# Altium PCB Slave.PcbDoc (part 11 of 12) (continued)
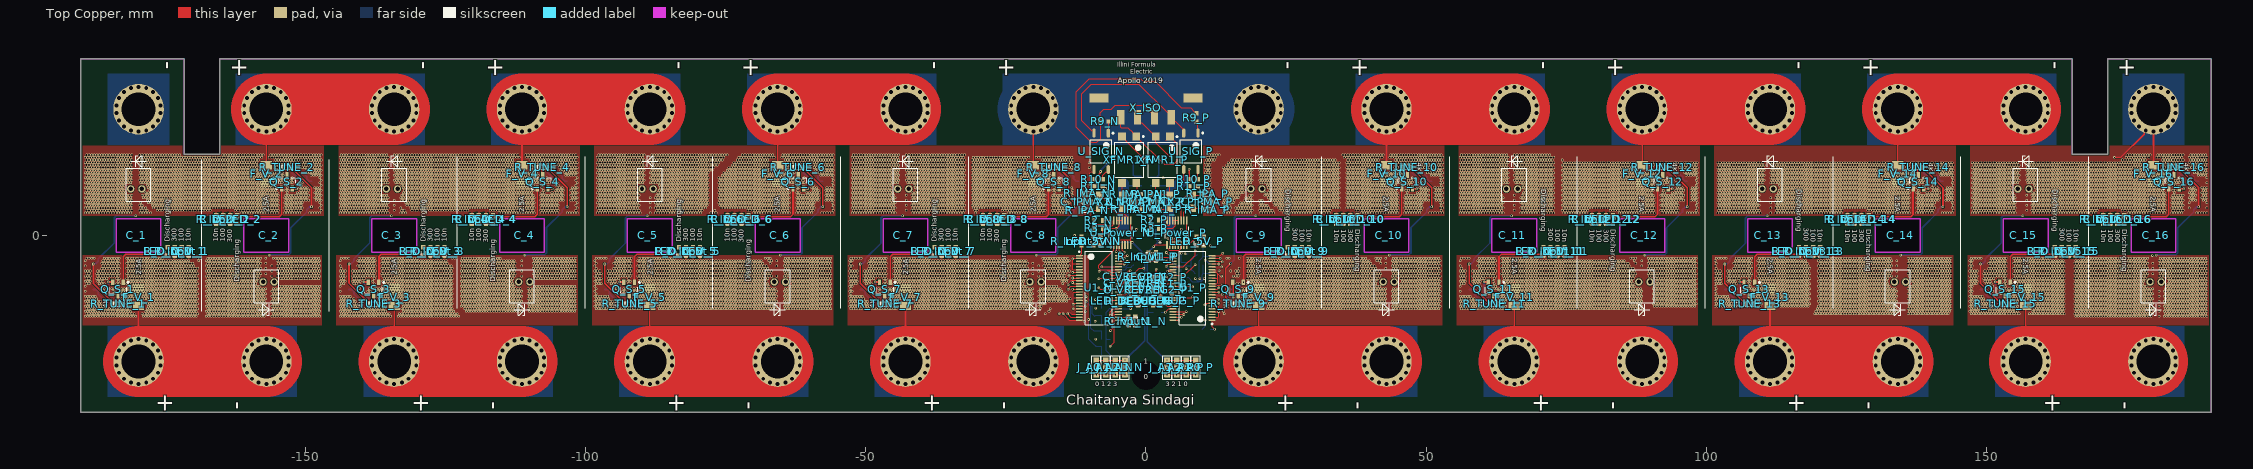
[diagram p0: Top Copper view]
## Nets (pads, with @x,y where several pads share a name; then routed paths per layer and width w, separated by ;. In a path a pad name is that pad's centre, name@x,y a point inside that pad or via, vN(x,y) a via of type N, cw(c..) or ccw(c..) an arc to the next point about the centre after c; other vN are vias at no path point) (continued)
GPIO2_N: R_Temp2_N.2 U1_N.28 | length 4.4
  Top Copper w0.102: v3(-6.35,-16.975) -5.975,-16.6 -5.975,-13.975 -5.6,-13.6 U1_N.28@-4.9,-13.6
GPIO2_P: R_Temp2_P.2 U1_P.28 | length 3.2
  Top Copper w0.102: v3(3.6,-5.5) 4,-5.1 U1_P.28@4.8,-5.1
  Bottom Copper w0.102: v3(3.6,-5.5) 4.1,-6 R_Temp2_P.2@4.75,-6 ; R_Temp2_P.2@4.701,-6.199 5.025,-5.875 R_Temp2_P.2@5.05,-5.875
GPIO3_N: R_Temp3_N.2 U1_N.29 | length 2.3
  Top Copper w0.102: v3(-6.375,-14.25) -6.375,-13.575 -5.9,-13.1 U1_N.29@-4.9,-13.1
GPIO3_P: R_Temp3_P.2 U1_P.29 | length 6.1
  Top Copper w0.102: U1_P.29@4.8,-5.6 6.65,-5.6 8.75,-3.5 v3(8.75,-2.75)
  Bottom Copper w0.102: v3(8.75,-2.75) R_Temp3_P.2@8.75,-2.25
GPIO4_N: R_Temp4_N.2 U1_N.32 | length 1.5
  Top Copper w0.102: v3(-6.4,-11.5) -6.306,-11.5 -6.206,-11.6 U1_N.32@-4.9,-11.6
GPIO4_P: R_Temp4_P.2 U1_P.32 | length 4.7
  Top Copper w0.102: U1_P.32@4.8,-7.1 6.85,-7.1 v3(8.75,-5.2)
IBIAS_N: R2_N.2 U_Power_N.16 | length 1.5
  Top Copper w0.102: R2_N.2@-7.75,2.684 U_Power_N.16@-6.251,2.684
IBIAS_P: R2_P.2 U_Power_P.16 | length 1.5
  Top Copper w0.102: R2_P.2@2.25,2.75 2.316,2.684 U_Power_P.16@3.749,2.684
ICMP_N: R2_N.1 R3_N.2 U_Power_N.15 | length 5.9
  Top Copper w0.102: R3_N.2@-9.25,1.25 -9.25,1.967 ; R2_N.1@-9.25,2.684 -9.25,1.967 ; U_Power_N.15@-5.751,2.684 -5.807,2.628 -5.807,1.893 -6,1.7 -6.9,1.7 -7.167,1.967 -9.25,1.967
ICMP_P: R2_P.1 R3_P.2 U_Power_P.15 | length 5.9
  Top Copper w0.102: R3_P.2@0.75,1.25 0.75,2 ; R2_P.1@0.75,2.75 0.75,2 ; U_Power_P.15@4.249,2.684 4.249,1.9 4.183,1.833 3.546,1.833 3.379,2 0.75,2
IMA_ISO: X_ISO.P$2 XFMR1_N.2 XFMR1_P.2 | length 20.5
  Top Copper w0.102: XFMR1_N.2@-4.27,17.625 -3.621,16.976 -3.621,16.894 -0.476,13.75 v3(0,13.75) ; X_ISO.P$2@-1.5,21.07 -1.5,20.711 -0.916,20.127 -0.772,20.127 XFMR1_P.2@1.73,17.625 1.73,16.52 v3(4.5,13.75)
  Signal Layer 1 w0.102: v3(0,13.75) 0.052,13.75 0.234,13.932 0.318,13.932 0.5,13.75 v3(4.5,13.75)
IMA_N: R_IMA_N.2 U_Power_N.10 X2_N.4 | length 8.8
  Top Copper w0.102: R_IMA_N.2@-9.75,7.5 -8.725,7.5 X2_N.4@-8.35,7.125 -8.107,6.882 -7.895,6.882 -4.916,3.903 -3.915,3.903 -3.457,3.446 -3.452,3.446 -3.249,3.243 U_Power_N.10@-3.249,2.684
IMA_P: R_IMA_P.2 U_Power_P.10 X2_P.4 | length 5.3
  Top Copper w0.102: U_Power_P.10@6.751,2.684 6.751,4.1 7.526,4.875 X2_P.4@8.35,4.875 9.925,4.875 R_IMA_P.2@10.2,4.6
IPA_ISO: X_ISO.P$1 XFMR1_N.1 XFMR1_P.1 | length 20.8
  Top Copper w0.102: X_ISO.P$1@-4.5,21.07 -4.5,19.248 -4.441,19.189 -3.212,19.189 -2.379,18.356 -2.379,18.274 XFMR1_N.1@-1.73,17.625 3.234,12.661 4.951,12.661 5.589,13.299 5.589,16.306 XFMR1_P.1@4.27,17.625 3.621,16.976 3.621,16.894
IPA_N: R_IPA_N.2 U_Power_N.11 X2_N.1 | length 7.4
  Top Copper w0.102: R_IPA_N.2@-9.75,4.5 -8.725,4.5 X2_N.1@-8.35,4.875 -6.175,4.875 -5,3.7 -4.206,3.7 -3.749,3.243 U_Power_N.11@-3.749,2.684
IPA_P: R_IPA_P.2 U_Power_P.11 X2_P.1 | length 7.9
  Top Copper w0.102: U_Power_P.11@6.251,2.684 6.251,6.099 7.276,7.125 X2_P.1@8.35,7.125 9.925,7.125 R_IPA_P.2@10.2,7.4
NEG1_C1: C1_N.2 C_1.- C_1.T- C_2.T- C_3.T- C_4.T- C_5.T- C_6.T- C_7.T- C_8.T- C_IPMA1_N.1 C_IPMA_N.1 C_Temp1_N.1 C_Temp2_N.1 C_Temp3_N.1 C_Temp4_N.1 C_V1_N.1 C_V_1.1 C_V_2.1 C_V_3.1 C_V_4.1 C_V_5.1 C_V_6.1 C_V_7.1 C_V_8.1 C_VREF1_N.1 C_VREF2_N.1 C_VREG1_N.1 C_VREG2_N.1 J_A0_N.1 J_A1_N.1 J_A2_N.1 J_A3_N.1 Q2_N.2 Q_D_1.3 R3_N.1 R11_N.1 R_5V_N.1 R_DEBUG_PD_N.1 R_Input1_N.2 R_TUNE_1.1 U1_N.30 U1_N.31 U1_N.36 U1_N.40 U_Power_N.12 U_Power_N.13 U_Power_N.14 | length 103.6
  Top Copper w0.102: C_1.-@-179.7,22.5 C_1.-@-178.2,21 ; v3(-8.85,-24.85) v3(-7.15,-24.85) v3(-5.45,-24.85) v3(-3.75,-24.85) ; v3(-8.4,-9.374) -8.392,-9.374 -8.166,-9.6 U1_N.36@-4.9,-9.6 ; v3(-8.4,-7.7) -8.306,-7.7 -8.206,-7.6 U1_N.40@-4.9,-7.6 ; R_5V_N.1@-8.162,-0.25 -8.162,-0.225 -7.838,0.099 -7.813,0.099 -7.75,0.162 R3_N.1@-7.75,1.25 -7.745,1.245 v3(-5.334,1.245) -5.255,1.245 -4.742,1.758 -4.742,1.842 -4.75,1.85 U_Power_N.13@-4.75,2.684 ; R11_N.1@-7.75,8.75 -7.582,8.75 v3(-7.214,8.382) ; U_Power_N.14@-5.251,2.684 U_Power_N.13@-4.75,2.684 ; U_Power_N.12@-4.25,2.684 U_Power_N.13@-4.75,2.684 ; C_IPMA1_N.1@-2.45,6 -2.464,5.986 -1.981,5.504 v3(-1.981,5.436) ; C_VREG2_N.1@-1.25,-7.4 C_VREF1_N.1@-1.25,-8.57 C_VREF2_N.1@-1.25,-9.7 -1.194,-9.756 v3(-1.194,-10.033)
  Top Copper w0.305: v3(-187.75,-5.1) -187.75,-8.525 R_TUNE_1.1@-184.075,-12.2
  Signal Layer 1 w0.102: -180.196,8.4 -180.096,8.3 C_1.T-@-179.1,8.3 ; C_1.-@-180.175,22.025 C_1.-@-179.7,22.5 ; C_2.T-@-157.5,-8.3 -157.5,-3.251 ; -133.5,3.251 C_3.T-@-133.5,8.3 ; C_4.T-@-111.9,-8.3 -111.9,-3.251 ; -87.9,3.251 C_5.T-@-87.9,8.3 ; C_6.T-@-66.3,-8.3 -66.3,-3.251 ; -42.3,3.251 C_7.T-@-42.3,8.3 ; C_8.T-@-20.7,-8.3 -20.7,-3.251
  Signal Layer 1 w0.305: v3(-180.2,3.5) -180.196,3.504 -180.196,8.4 -180.196,8.674 -180.2,8.678 -180.2,22 C_1.-@-180.175,22.025
  Bottom Copper w0.102: v3@-8.4,-9.4 -8.38,-9.38 -8.386,-9.374 v3(-8.4,-9.374)
  Bottom Copper w0.305: Q_D_1.3@-187.75,-5.05 -187.329,-5.05 -186.882,-4.602 -186.882,-4.182 -184.052,-1.352 -184.052,3.146 -183.698,3.5 v3(-180.2,3.5)
  other v2: -179.7,18.5 -181.068,18.741 -178.332,18.741 -182.271,19.436 -177.129,19.436 -183.164,20.5 -176.236,20.5 -183.639,21.805 -175.761,21.805 -183.639,23.195 -175.761,23.195 -183.164,24.5 -176.236,24.5 -182.271,25.564 -177.129,25.564 -181.068,26.259 -178.332,26.259 -179.7,26.5
  other v3: -9,-18.5 -3.1,-16.05 -1.9,-16.05 -9.068,-15.335 -9,-12.973 -5.2,-12.3 -4.4,-12.3 -170.725,-2.1 -125.125,-2.1 -79.525,-2.1 -33.925,-2.1 -165.875,2.1 -120.275,2.1 -74.675,2.1 -29.075,2.1 -9.75,6
NEG1_C2: C1_P.2 C_8.+ C_9.- C_9.T- C_10.T- C_11.T- C_12.T- C_13.T- C_14.T- C_15.T- C_16.T- C_IPMA1_P.1 C_IPMA_P.1 C_Temp1_P.1 C_Temp2_P.1 C_Temp3_P.1 C_Temp4_P.1 C_V1_P.1 C_V_9.1 C_V_10.1 C_V_11.1 C_V_12.1 C_V_13.1 C_V_14.1 C_V_15.1 C_V_16.1 C_VREF1_P.1 C_VREF2_P.1 C_VREG1_P.1 C_VREG2_P.1 D1_N.K F_V_8.1 J_A0_P.1 J_A1_P.1 J_A2_P.1 J_A3_P.1 Q2_P.2 Q_D_9.3 R3_P.1 R10_N.2 R11_P.1 R_5V_P.1 R_DEBUG_PD_P.1 R_Input1_P.2 R_Input2_N.2 R_TUNE_9.1 U1_P.30 U1_P.31 U1_P.36 U1_P.40 U_Power_P.12 U_Power_P.13 U_Power_P.14 | length 278
  Top Copper w0.102: v3(-12.75,0) -12.5,-0.25 R_Input2_N.2@-11.5,-0.25 ; v3(2.159,5.42) 2.159,5.709 C_IPMA1_P.1@2.45,6 ; R3_P.1@2.25,1.25 2.27,1.27 v3(2.667,1.27) 4.73,1.27 4.75,1.25 5.2,1.7 5.2,2.635 U_Power_P.13@5.25,2.684 ; v3(3.75,-24.85) v3(5.45,-24.85) v3(7.15,-24.85) v3(8.85,-24.85) ; U_Power_P.14@4.749,2.684 U_Power_P.13@5.25,2.684 ; U1_P.40@4.8,-11.1 8.15,-11.1 v3(8.3,-10.95) ; U1_P.36@4.8,-9.1 8.106,-9.1 8.206,-9.2 v3(8.3,-9.2) ; U1_P.31@4.8,-6.6 4.34,-6.6 4.272,-6.531 4.272,-6.48 4.192,-6.4 v3(3.85,-6.4) 4.13,-6.12 4.78,-6.12 U1_P.30@4.8,-6.1 ; U_Power_P.12@5.75,2.684 U_Power_P.13@5.25,2.684
  Top Copper w0.254: C_8.+@-20.1,22.5 C_8.+@-18.91,21.31 ; R10_N.2@-9.25,10 -9.225,10 -8.977,10.248 -8.977,10.273 -8.138,11.112 -8.138,11.362 v3(-8.1,11.4) ; v3(1.15,-9.7) C_VREF1_P.1@1.15,-8.6
  Top Copper w0.305: F_V_8.1@-20.1,12.8 C_8.+@-20.1,22.5 ; v3(15.05,-5.05) 14.221,-5.879 14.221,-11.071 15.35,-12.2 R_TUNE_9.1@15.725,-12.2
  Signal Layer 1 w0.102: C_8.+@-20.1,22.5 -17.282,19.682 -16.93,19.33 -12.523,14.923 -12.523,0.227 v3(-12.75,0) ; C_9.-@18.626,23.503 C_9.-@19.101,23.978 ; 19.701,4.728 19.701,8.678 19.701,9.778 ; C_10.T-@42.3,-8.3 42.3,-3.251 ; 66.3,3.251 C_11.T-@66.3,8.3 ; C_12.T-@87.9,-8.3 87.9,-3.251 ; 111.9,3.251 C_13.T-@111.9,8.3 ; C_14.T-@133.5,-8.3 133.5,-3.251 ; 157.5,3.251 C_15.T-@157.5,8.3 ; 178.772,-3.556 179.1,-3.884 C_16.T-@179.1,-8.3
  Signal Layer 1 w0.254: v3(-8.1,11.4) -8.1,22.4 -8,22.5
  Signal Layer 1 w0.305: C_9.-@18.601,19.478 18.601,23.478 C_9.-@18.626,23.503 ; v3(19.6,3.5) 19.604,3.504 19.604,4.728 19.604,8.674 19.6,8.678 19.6,9.778 19.6,18
  Signal Layer 1 w12.7: C_8.+@-20.1,22.5 -8,22.5 C_9.-@20.1,22.5
  Signal Layer 2 w12.7: C_8.+@-20.1,22.5 C_9.-@20.1,22.5
  Bottom Copper w0.102: v3(6.985,-3.302) 7.448,-3.302 C_Temp1_P.1@7.5,-3.25 ; v3(7.163,-5.909) 7.254,-6 C_Temp2_P.1@7.5,-6 ; v3(10.566,-4.473) 10.698,-4.473 11.126,-4.901 11.176,-4.901 11.5,-5.225 C_Temp4_P.1@11.5,-5.25 C_Temp4_P.1@11.5,-5.275
  Bottom Copper w0.254: v3(-8.1,11.4) -8.1,11.61 D1_N.K@-6.71,13
  Bottom Copper w0.305: v3(15.05,-5.05) 15.748,-4.352 15.748,-3.147 15.747,3.146 16.101,3.5 v3(19.6,3.5)
  Bottom Copper w12.7: C_8.+@-20.1,22.5 C_9.-@20.1,22.5
  other v2: -20.1,18.5 20.1,18.5 -21.468,18.741 -18.732,18.741 18.732,18.741 21.468,18.741 -22.671,19.436 -17.529,19.436 17.529,19.436 22.671,19.436 -23.564,20.5 -16.636,20.5 16.636,20.5 23.564,20.5 -24.039,21.805 -16.161,21.805 16.161,21.805 24.039,21.805 -24.039,23.195 -16.161,23.195 16.161,23.195 24.039,23.195 -23.564,24.5 -16.636,24.5 16.636,24.5 23.564,24.5 -22.671,25.564 -17.529,25.564 17.529,25.564 22.671,25.564 -21.468,26.259 -18.732,26.259 18.732,26.259 21.468,26.259 -20.1,26.5 20.1,26.5
  other v3: 0.9,-7.35 0.9,-3.175 1.81,-3.04 29.075,-2.1 74.675,-2.1 120.275,-2.1 165.875,-2.1 11.481,-1.854 10.327,0.25 33.925,2.1 79.525,2.1 125.125,2.1 170.725,2.1 10.2,6 9.25,8.75 3.099,10.253
NEG2_C1: C_1.+ C_2.- F_V_1.1 Q_D_2.3 R_TUNE_2.1 | length 142.8
  Top Copper w0.305: C_1.+@-179.7,-22.5 F_V_1.1@-179.7,-12.675 ; R_TUNE_2.1@-152.525,12.2 -148.85,8.525 v3(-148.85,5.1)
  Top Copper w12.7: C_1.+@-179.7,-22.5 C_2.-@-156.9,-22.5
  Signal Layer 1 w0.102: C_2.-@-156.9,-22.5 C_2.-@-156.425,-22.025
  Signal Layer 1 w0.305: C_2.-@-156.425,-22.025 -156.4,-22 -156.4,-8.678 -156.404,-8.674 -156.404,-3.504 v3(-156.4,-3.5)
  Signal Layer 1 w12.7: C_1.+@-179.7,-22.5 C_2.-@-156.9,-22.5
  Signal Layer 2 w12.7: C_1.+@-179.7,-22.5 C_2.-@-156.9,-22.5
  Bottom Copper w0.305: v3(-156.4,-3.5) -152.902,-3.5 -152.548,-3.146 -152.548,1.352 -149.718,4.182 -149.718,4.602 -149.271,5.05 Q_D_2.3@-148.85,5.05
  Bottom Copper w12.7: C_1.+@-179.7,-22.5 C_2.-@-156.9,-22.5
  other v2: -179.7,-26.5 -156.9,-26.5 -181.068,-26.259 -178.332,-26.259 -158.268,-26.259 -155.532,-26.259 -182.271,-25.564 -177.129,-25.564 -159.471,-25.564 -154.329,-25.564 -183.164,-24.5 -176.236,-24.5 -160.364,-24.5 -153.436,-24.5 -183.639,-23.195 -175.761,-23.195 -160.839,-23.195 -152.961,-23.195 -183.639,-21.805 -175.761,-21.805 -160.839,-21.805 -152.961,-21.805 -183.164,-20.5 -176.236,-20.5 -160.364,-20.5 -153.436,-20.5 -182.271,-19.436 -177.129,-19.436 -159.471,-19.436 -154.329,-19.436 -181.068,-18.741 -178.332,-18.741 -158.268,-18.741 -155.532,-18.741 -179.7,-18.5 -156.9,-18.5
NEG2_C2: C_9.+ C_10.- F_V_9.1 Q_D_10.3 R_TUNE_10.1 | length 145.8
  Top Copper w0.102: C_10.-@41.4,-21 C_10.-@42.9,-22.5
  Top Copper w0.305: C_9.+@19.101,-21.022 19.101,-17.022 19.101,-16.522 ; 20.1,-18 20.1,-16.794 F_V_9.1@20.1,-12.545 ; R_TUNE_10.1@47.275,12.2 50.95,8.525 v3(50.95,5.1)
  Top Copper w12.7: C_9.+@20.1,-22.5 C_10.-@42.9,-22.5
  Signal Layer 1 w0.102: C_10.-@42.9,-22.5 43.375,-22.025 C_10.-@42.9,-22.5
  Signal Layer 1 w0.305: v3(43.4,-3.5) 43.396,-3.504 43.396,-8.674 43.4,-8.678 43.4,-18 C_10.-@43.4,-22 ; C_10.-@43.4,-22 43.375,-22.025 C_10.-@43.4,-22
  Signal Layer 1 w12.7: C_9.+@20.1,-22.5 C_10.-@42.9,-22.5
  Signal Layer 2 w12.7: C_9.+@20.1,-22.5 C_10.-@42.9,-22.5
  Bottom Copper w0.305: v3(43.4,-3.5) 46.898,-3.5 47.252,-3.146 47.252,1.352 50.082,4.182 50.082,4.602 50.529,5.05 Q_D_10.3@50.95,5.05
  Bottom Copper w12.7: C_9.+@20.1,-22.5 C_10.-@42.9,-22.5
  other v2: 20.1,-26.5 42.9,-26.5 18.732,-26.259 21.468,-26.259 41.532,-26.259 44.268,-26.259 17.529,-25.564 22.671,-25.564 40.329,-25.564 45.471,-25.564 16.636,-24.5 23.564,-24.5 39.436,-24.5 46.364,-24.5 16.161,-23.195 24.039,-23.195 38.961,-23.195 46.839,-23.195 16.161,-21.805 24.039,-21.805 38.961,-21.805 46.839,-21.805 16.636,-20.5 23.564,-20.5 39.436,-20.5 46.364,-20.5 17.529,-19.436 22.671,-19.436 40.329,-19.436 45.471,-19.436 18.732,-18.741 21.468,-18.741 41.532,-18.741 44.268,-18.741 20.1,-18.5 42.9,-18.5
NEG3_C1: C_2.+ C_3.- F_V_2.1 Q_D_3.3 R_TUNE_3.1 | length 145.8
  Top Copper w0.102: C_3.-@-134.1,22.5 C_3.-@-132.6,21
  Top Copper w0.305: F_V_2.1@-156.9,12.545 C_2.+@-156.9,22.5 ; v3(-142.15,-5.1) -142.15,-8.525 R_TUNE_3.1@-138.475,-12.2
  Top Copper w12.7: C_2.+@-156.9,22.5 C_3.-@-134.1,22.5
  Signal Layer 1 w0.102: C_3.-@-134.575,22.025 C_3.-@-134.1,22.5 C_3.-@-133.625,22.975
  Signal Layer 1 w0.305: v3(-134.6,3.5) -134.596,3.504 -134.596,8.674 -134.6,8.678 -134.6,22 C_3.-@-134.575,22.025 ; C_3.-@-133.625,22.975 C_3.-@-133.6,23
  Signal Layer 1 w12.7: C_2.+@-156.9,22.5 C_3.-@-134.1,22.5
  Signal Layer 2 w12.7: C_2.+@-156.9,22.5 C_3.-@-134.1,22.5
  Bottom Copper w0.305: Q_D_3.3@-142.15,-5.05 -141.729,-5.05 -141.282,-4.602 -141.282,-4.182 -138.452,-1.352 -138.452,3.146 -138.098,3.5 v3(-134.6,3.5)
  Bottom Copper w12.7: C_2.+@-156.9,22.5 C_3.-@-134.1,22.5
  other v2: -156.9,18.5 -134.1,18.5 -158.268,18.741 -155.532,18.741 -135.468,18.741 -132.732,18.741 -159.471,19.436 -154.329,19.436 -136.671,19.436 -131.529,19.436 -160.364,20.5 -153.436,20.5 -137.564,20.5 -130.636,20.5 -160.839,21.805 -152.961,21.805 -138.039,21.805 -130.161,21.805 -160.839,23.195 -152.961,23.195 -138.039,23.195 -130.161,23.195 -160.364,24.5 -153.436,24.5 -137.564,24.5 -130.636,24.5 -159.471,25.564 -154.329,25.564 -136.671,25.564 -131.529,25.564 -158.268,26.259 -155.532,26.259 -135.468,26.259 -132.732,26.259 -156.9,26.5 -134.1,26.5
NEG3_C2: C_10.+ C_11.- F_V_10.1 Q_D_11.3 R_TUNE_11.1 | length 143.7
  Top Copper w0.305: F_V_10.1@42.9,12.545 C_10.+@42.9,22.5 ; v3(57.65,-5.1) 57.65,-8.525 R_TUNE_11.1@61.325,-12.2
  Top Copper w12.7: C_10.+@42.9,22.5 C_11.-@65.7,22.5
  Signal Layer 1 w0.102: C_11.-@65.225,22.025 C_11.-@65.7,22.5 C_11.-@66.175,22.975
  Signal Layer 1 w0.305: v3(65.2,3.5) 65.204,3.504 65.204,8.674 65.2,8.678 65.2,22 C_11.-@65.225,22.025 ; C_11.-@66.175,22.975 C_11.-@66.2,23
  Signal Layer 1 w12.7: C_10.+@42.9,22.5 C_11.-@65.7,22.5
  Signal Layer 2 w12.7: C_10.+@42.9,22.5 C_11.-@65.7,22.5
  Bottom Copper w0.305: Q_D_11.3@57.65,-5.05 58.071,-5.05 58.518,-4.602 58.518,-4.182 61.348,-1.352 61.348,3.146 61.702,3.5 v3(65.2,3.5)
  Bottom Copper w12.7: C_10.+@42.9,22.5 C_11.-@65.7,22.5
  other v2: 42.9,18.5 65.7,18.5 41.532,18.741 44.268,18.741 64.332,18.741 67.068,18.741 40.329,19.436 45.471,19.436 63.129,19.436 68.271,19.436 39.436,20.5 46.364,20.5 62.236,20.5 69.164,20.5 38.961,21.805 46.839,21.805 61.761,21.805 69.639,21.805 38.961,23.195 46.839,23.195 61.761,23.195 69.639,23.195 39.436,24.5 46.364,24.5 62.236,24.5 69.164,24.5 40.329,25.564 45.471,25.564 63.129,25.564 68.271,25.564 41.532,26.259 44.268,26.259 64.332,26.259 67.068,26.259 42.9,26.5 65.7,26.5
NEG4_C1: C_3.+ C_4.- F_V_3.1 Q_D_4.3 R_TUNE_4.1 | length 143.7
  Top Copper w0.305: C_3.+@-134.1,-22.5 F_V_3.1@-134.1,-12.545 ; R_TUNE_4.1@-106.925,12.2 -103.25,8.525 v3(-103.25,5.1)
  Top Copper w12.7: C_3.+@-134.1,-22.5 C_4.-@-111.3,-22.5
  Signal Layer 1 w0.102: C_4.-@-111.3,-22.5 -110.825,-22.025 C_4.-@-111.3,-22.5
  Signal Layer 1 w0.305: v3(-110.8,-3.5) -110.804,-3.504 -110.804,-8.674 -110.8,-8.678 C_4.-@-110.8,-22 ; C_4.-@-110.8,-22 -110.825,-22.025 C_4.-@-110.8,-22
  Signal Layer 1 w12.7: C_3.+@-134.1,-22.5 C_4.-@-111.3,-22.5
  Signal Layer 2 w12.7: C_3.+@-134.1,-22.5 C_4.-@-111.3,-22.5
  Bottom Copper w0.305: v3(-110.8,-3.5) -107.302,-3.5 -106.948,-3.146 -106.948,1.352 -104.118,4.182 -104.118,4.602 -103.671,5.05 Q_D_4.3@-103.25,5.05
  Bottom Copper w12.7: C_3.+@-134.1,-22.5 C_4.-@-111.3,-22.5
  other v2: -134.1,-26.5 -111.3,-26.5 -135.468,-26.259 -132.732,-26.259 -112.668,-26.259 -109.932,-26.259 -136.671,-25.564 -131.529,-25.564 -113.871,-25.564 -108.729,-25.564 -137.564,-24.5 -130.636,-24.5 -114.764,-24.5 -107.836,-24.5 -138.039,-23.195 -130.161,-23.195 -115.239,-23.195 -107.361,-23.195 -138.039,-21.805 -130.161,-21.805 -115.239,-21.805 -107.361,-21.805 -137.564,-20.5 -130.636,-20.5 -114.764,-20.5 -107.836,-20.5 -136.671,-19.436 -131.529,-19.436 -113.871,-19.436 -108.729,-19.436 -135.468,-18.741 -132.732,-18.741 -112.668,-18.741 -109.932,-18.741 -134.1,-18.5 -111.3,-18.5
NEG4_C2: C_11.+ C_12.- F_V_11.1 Q_D_12.3 R_TUNE_12.1 | length 145.8
  Top Copper w0.102: C_12.-@87,-21 C_12.-@88.5,-22.5
  Top Copper w0.305: C_11.+@65.7,-22.5 F_V_11.1@65.7,-12.545 ; R_TUNE_12.1@92.875,12.2 96.55,8.525 v3(96.55,5.1)
  Top Copper w12.7: C_11.+@65.7,-22.5 C_12.-@88.5,-22.5
  Signal Layer 1 w0.102: C_12.-@88.5,-22.5 88.975,-22.025 C_12.-@88.5,-22.5
  Signal Layer 1 w0.305: v3(89,-3.5) 88.996,-3.504 88.996,-8.674 89,-8.678 C_12.-@89,-22 ; C_12.-@89,-22 88.975,-22.025 C_12.-@89,-22
  Signal Layer 1 w12.7: C_11.+@65.7,-22.5 C_12.-@88.5,-22.5
  Signal Layer 2 w12.7: C_11.+@65.7,-22.5 C_12.-@88.5,-22.5
  Bottom Copper w0.305: v3(89,-3.5) 92.498,-3.5 92.852,-3.146 92.852,1.352 95.682,4.182 95.682,4.602 96.129,5.05 Q_D_12.3@96.55,5.05
  Bottom Copper w12.7: C_11.+@65.7,-22.5 C_12.-@88.5,-22.5
  other v2: 65.7,-26.5 88.5,-26.5 64.332,-26.259 67.068,-26.259 87.132,-26.259 89.868,-26.259 63.129,-25.564 68.271,-25.564 85.929,-25.564 91.071,-25.564 62.236,-24.5 69.164,-24.5 85.036,-24.5 91.964,-24.5 61.761,-23.195 69.639,-23.195 84.561,-23.195 92.439,-23.195 61.761,-21.805 69.639,-21.805 84.561,-21.805 92.439,-21.805 62.236,-20.5 69.164,-20.5 85.036,-20.5 91.964,-20.5 63.129,-19.436 68.271,-19.436 85.929,-19.436 91.071,-19.436 64.332,-18.741 67.068,-18.741 87.132,-18.741 89.868,-18.741 65.7,-18.5 88.5,-18.5
NEG5_C1: C_4.+ C_5.- F_V_4.1 Q_D_5.3 R_TUNE_5.1 | length 145.8
  Top Copper w0.102: C_5.-@-88.5,22.5 C_5.-@-87,21
  Top Copper w0.305: F_V_4.1@-111.3,12.545 C_4.+@-111.3,22.5 ; v3(-96.55,-5.1) -96.55,-8.525 R_TUNE_5.1@-92.875,-12.2
  Top Copper w12.7: C_4.+@-111.3,22.5 C_5.-@-88.5,22.5
  Signal Layer 1 w0.102: C_5.-@-88.975,22.025 C_5.-@-88.5,22.5 C_5.-@-88.025,22.975
  Signal Layer 1 w0.305: v3(-89,3.5) -88.996,3.504 -88.996,8.674 -89,8.678 -89,22 C_5.-@-88.975,22.025 ; C_5.-@-88.025,22.975 C_5.-@-88,23
  Signal Layer 1 w12.7: C_4.+@-111.3,22.5 C_5.-@-88.5,22.5
  Signal Layer 2 w12.7: C_4.+@-111.3,22.5 C_5.-@-88.5,22.5
  Bottom Copper w0.305: Q_D_5.3@-96.55,-5.05 -96.129,-5.05 -95.682,-4.602 -95.682,-4.182 -92.852,-1.352 -92.852,3.146 -92.498,3.5 v3(-89,3.5)
  Bottom Copper w12.7: C_4.+@-111.3,22.5 C_5.-@-88.5,22.5
  other v2: -111.3,18.5 -88.5,18.5 -112.668,18.741 -109.932,18.741 -89.868,18.741 -87.132,18.741 -113.871,19.436 -108.729,19.436 -91.071,19.436 -85.929,19.436 -114.764,20.5 -107.836,20.5 -91.964,20.5 -85.036,20.5 -115.239,21.805 -107.361,21.805 -92.439,21.805 -84.561,21.805 -115.239,23.195 -107.361,23.195 -92.439,23.195 -84.561,23.195 -114.764,24.5 -107.836,24.5 -91.964,24.5 -85.036,24.5 -113.871,25.564 -108.729,25.564 -91.071,25.564 -85.929,25.564 -112.668,26.259 -109.932,26.259 -89.868,26.259 -87.132,26.259 -111.3,26.5 -88.5,26.5
NEG5_C2: C_12.+ C_13.- F_V_12.1 Q_D_13.3 R_TUNE_13.1 | length 143.7
  Top Copper w0.305: F_V_12.1@88.5,12.545 C_12.+@88.5,22.5 ; v3(103.25,-5.1) 103.25,-8.525 R_TUNE_13.1@106.925,-12.2
  Top Copper w12.7: C_12.+@88.5,22.5 C_13.-@111.3,22.5
  Signal Layer 1 w0.102: C_13.-@110.825,22.025 C_13.-@111.3,22.5 C_13.-@111.775,22.975
  Signal Layer 1 w0.305: v3(110.8,3.5) 110.804,3.504 110.804,8.674 110.8,8.678 110.8,22 C_13.-@110.825,22.025 ; C_13.-@111.775,22.975 C_13.-@111.8,23
  Signal Layer 1 w12.7: C_12.+@88.5,22.5 C_13.-@111.3,22.5
  Signal Layer 2 w12.7: C_12.+@88.5,22.5 C_13.-@111.3,22.5
  Bottom Copper w0.305: Q_D_13.3@103.25,-5.05 103.671,-5.05 104.118,-4.602 104.118,-4.182 106.948,-1.352 106.948,3.146 107.302,3.5 v3(110.8,3.5)
  Bottom Copper w12.7: C_12.+@88.5,22.5 C_13.-@111.3,22.5
  other v2: 88.5,18.5 111.3,18.5 87.132,18.741 89.868,18.741 109.932,18.741 112.668,18.741 85.929,19.436 91.071,19.436 108.729,19.436 113.871,19.436 85.036,20.5 91.964,20.5 107.836,20.5 114.764,20.5 84.561,21.805 92.439,21.805 107.361,21.805 115.239,21.805 84.561,23.195 92.439,23.195 107.361,23.195 115.239,23.195 85.036,24.5 91.964,24.5 107.836,24.5 114.764,24.5 85.929,25.564 91.071,25.564 108.729,25.564 113.871,25.564 87.132,26.259 89.868,26.259 109.932,26.259 112.668,26.259 88.5,26.5 111.3,26.5
NEG6_C1: C_5.+ C_6.- F_V_5.1 Q_D_6.3 R_TUNE_6.1 | length 143.7
  Top Copper w0.305: C_5.+@-88.5,-22.5 F_V_5.1@-88.5,-12.545 ; R_TUNE_6.1@-61.325,12.2 -57.65,8.525 v3(-57.65,5.1)
  Top Copper w12.7: C_5.+@-88.5,-22.5 C_6.-@-65.7,-22.5
  Signal Layer 1 w0.102: C_6.-@-65.7,-22.5 -65.225,-22.025 C_6.-@-65.7,-22.5
  Signal Layer 1 w0.305: v3(-65.2,-3.5) -65.204,-3.504 -65.204,-8.674 -65.2,-8.678 C_6.-@-65.2,-22 ; C_6.-@-65.2,-22 -65.225,-22.025 C_6.-@-65.2,-22
  Signal Layer 1 w12.7: C_5.+@-88.5,-22.5 C_6.-@-65.7,-22.5
  Signal Layer 2 w12.7: C_5.+@-88.5,-22.5 C_6.-@-65.7,-22.5
  Bottom Copper w0.305: v3(-65.2,-3.5) -61.702,-3.5 -61.348,-3.146 -61.348,1.352 -58.518,4.182 -58.518,4.602 -58.071,5.05 Q_D_6.3@-57.65,5.05
  Bottom Copper w12.7: C_5.+@-88.5,-22.5 C_6.-@-65.7,-22.5
  other v2: -88.5,-26.5 -65.7,-26.5 -89.868,-26.259 -87.132,-26.259 -67.068,-26.259 -64.332,-26.259 -91.071,-25.564 -85.929,-25.564 -68.271,-25.564 -63.129,-25.564 -91.964,-24.5 -85.036,-24.5 -69.164,-24.5 -62.236,-24.5 -92.439,-23.195 -84.561,-23.195 -69.639,-23.195 -61.761,-23.195 -92.439,-21.805 -84.561,-21.805 -69.639,-21.805 -61.761,-21.805 -91.964,-20.5 -85.036,-20.5 -69.164,-20.5 -62.236,-20.5 -91.071,-19.436 -85.929,-19.436 -68.271,-19.436 -63.129,-19.436 -89.868,-18.741 -87.132,-18.741 -67.068,-18.741 -64.332,-18.741 -88.5,-18.5 -65.7,-18.5
NEG6_C2: C_13.+ C_14.- F_V_13.1 Q_D_14.3 R_TUNE_14.1 | length 145.6
  Top Copper w0.102: C_14.-@132.6,-21 C_14.-@134.1,-22.5
  Top Copper w0.305: C_13.+@111.3,-22.5 F_V_13.1@111.3,-12.775 ; R_TUNE_14.1@138.475,12.2 142.15,8.525 v3(142.15,5.1)
  Top Copper w12.7: C_13.+@111.3,-22.5 C_14.-@134.1,-22.5
  Signal Layer 1 w0.102: C_14.-@134.1,-22.5 134.575,-22.025 C_14.-@134.1,-22.5
  Signal Layer 1 w0.305: v3(134.6,-3.5) 134.596,-3.504 134.596,-8.674 134.6,-8.678 C_14.-@134.6,-22 ; C_14.-@134.6,-22 134.575,-22.025 C_14.-@134.6,-22
  Signal Layer 1 w12.7: C_13.+@111.3,-22.5 C_14.-@134.1,-22.5
  Signal Layer 2 w12.7: C_13.+@111.3,-22.5 C_14.-@134.1,-22.5
  Bottom Copper w0.305: v3(134.6,-3.5) 138.098,-3.5 138.452,-3.146 138.452,1.352 141.282,4.182 141.282,4.602 141.729,5.05 Q_D_14.3@142.15,5.05
  Bottom Copper w12.7: C_13.+@111.3,-22.5 C_14.-@134.1,-22.5
  other v2: 111.3,-26.5 134.1,-26.5 109.932,-26.259 112.668,-26.259 132.732,-26.259 135.468,-26.259 108.729,-25.564 113.871,-25.564 131.529,-25.564 136.671,-25.564 107.836,-24.5 114.764,-24.5 130.636,-24.5 137.564,-24.5 107.361,-23.195 115.239,-23.195 130.161,-23.195 138.039,-23.195 107.361,-21.805 115.239,-21.805 130.161,-21.805 138.039,-21.805 107.836,-20.5 114.764,-20.5 130.636,-20.5 137.564,-20.5 108.729,-19.436 113.871,-19.436 131.529,-19.436 136.671,-19.436 109.932,-18.741 112.668,-18.741 132.732,-18.741 135.468,-18.741 111.3,-18.5 134.1,-18.5
NEG7_C1: C_6.+ C_7.- F_V_6.1 Q_D_7.3 R_TUNE_7.1 | length 145.8
  Top Copper w0.102: C_7.-@-42.9,22.5 C_7.-@-41.4,21
  Top Copper w0.305: F_V_6.1@-65.7,12.545 C_6.+@-65.7,22.5 ; v3(-50.95,-5.1) -50.95,-8.525 R_TUNE_7.1@-47.275,-12.2
  Top Copper w12.7: C_6.+@-65.7,22.5 C_7.-@-42.9,22.5
  Signal Layer 1 w0.102: C_7.-@-43.375,22.025 C_7.-@-42.9,22.5 C_7.-@-42.425,22.975
  Signal Layer 1 w0.305: v3(-43.4,3.5) -43.396,3.504 -43.396,8.674 -43.4,8.678 -43.4,22 C_7.-@-43.375,22.025 ; C_7.-@-42.425,22.975 C_7.-@-42.4,23
  Signal Layer 1 w12.7: C_6.+@-65.7,22.5 C_7.-@-42.9,22.5
  Signal Layer 2 w12.7: C_6.+@-65.7,22.5 C_7.-@-42.9,22.5
  Bottom Copper w0.305: Q_D_7.3@-50.95,-5.05 -50.529,-5.05 -50.082,-4.602 -50.082,-4.182 -47.252,-1.352 -47.252,3.146 -46.898,3.5 v3(-43.4,3.5)
  Bottom Copper w12.7: C_6.+@-65.7,22.5 C_7.-@-42.9,22.5
  other v2: -65.7,18.5 -42.9,18.5 -67.068,18.741 -64.332,18.741 -44.268,18.741 -41.532,18.741 -68.271,19.436 -63.129,19.436 -45.471,19.436 -40.329,19.436 -69.164,20.5 -62.236,20.5 -46.364,20.5 -39.436,20.5 -69.639,21.805 -61.761,21.805 -46.839,21.805 -38.961,21.805 -69.639,23.195 -61.761,23.195 -46.839,23.195 -38.961,23.195 -69.164,24.5 -62.236,24.5 -46.364,24.5 -39.436,24.5 -68.271,25.564 -63.129,25.564 -45.471,25.564 -40.329,25.564 -67.068,26.259 -64.332,26.259 -44.268,26.259 -41.532,26.259 -65.7,26.5 -42.9,26.5
NEG7_C2: C_14.+ C_15.- F_V_14.1 Q_D_15.3 R_TUNE_15.1 | length 143.7
  Top Copper w0.305: F_V_14.1@134.1,12.545 C_14.+@134.1,22.5 ; v3(148.85,-5.1) 148.85,-8.525 R_TUNE_15.1@152.525,-12.2
  Top Copper w12.7: C_14.+@134.1,22.5 C_15.-@156.9,22.5
  Signal Layer 1 w0.102: C_15.-@156.425,22.025 C_15.-@156.9,22.5 C_15.-@157.375,22.975
  Signal Layer 1 w0.305: v3(156.4,3.5) 156.404,3.504 156.404,8.674 156.4,8.678 156.4,22 C_15.-@156.425,22.025 ; C_15.-@157.375,22.975 C_15.-@157.4,23
  Signal Layer 1 w12.7: C_14.+@134.1,22.5 C_15.-@156.9,22.5
  Signal Layer 2 w12.7: C_14.+@134.1,22.5 C_15.-@156.9,22.5
  Bottom Copper w0.305: Q_D_15.3@148.85,-5.05 149.271,-5.05 149.718,-4.602 149.718,-4.182 152.548,-1.352 152.548,3.146 152.902,3.5 v3(156.4,3.5)
  Bottom Copper w12.7: C_14.+@134.1,22.5 C_15.-@156.9,22.5
  other v2: 134.1,18.5 156.9,18.5 132.732,18.741 135.468,18.741 155.532,18.741 158.268,18.741 131.529,19.436 136.671,19.436 154.329,19.436 159.471,19.436 130.636,20.5 137.564,20.5 153.436,20.5 160.364,20.5 130.161,21.805 138.039,21.805 152.961,21.805 160.839,21.805 130.161,23.195 138.039,23.195 152.961,23.195 160.839,23.195 130.636,24.5 137.564,24.5 153.436,24.5 160.364,24.5 131.529,25.564 136.671,25.564 154.329,25.564 159.471,25.564 132.732,26.259 135.468,26.259 155.532,26.259 158.268,26.259 134.1,26.5 156.9,26.5